# KiCad board q2.kicad_pcb (continued)
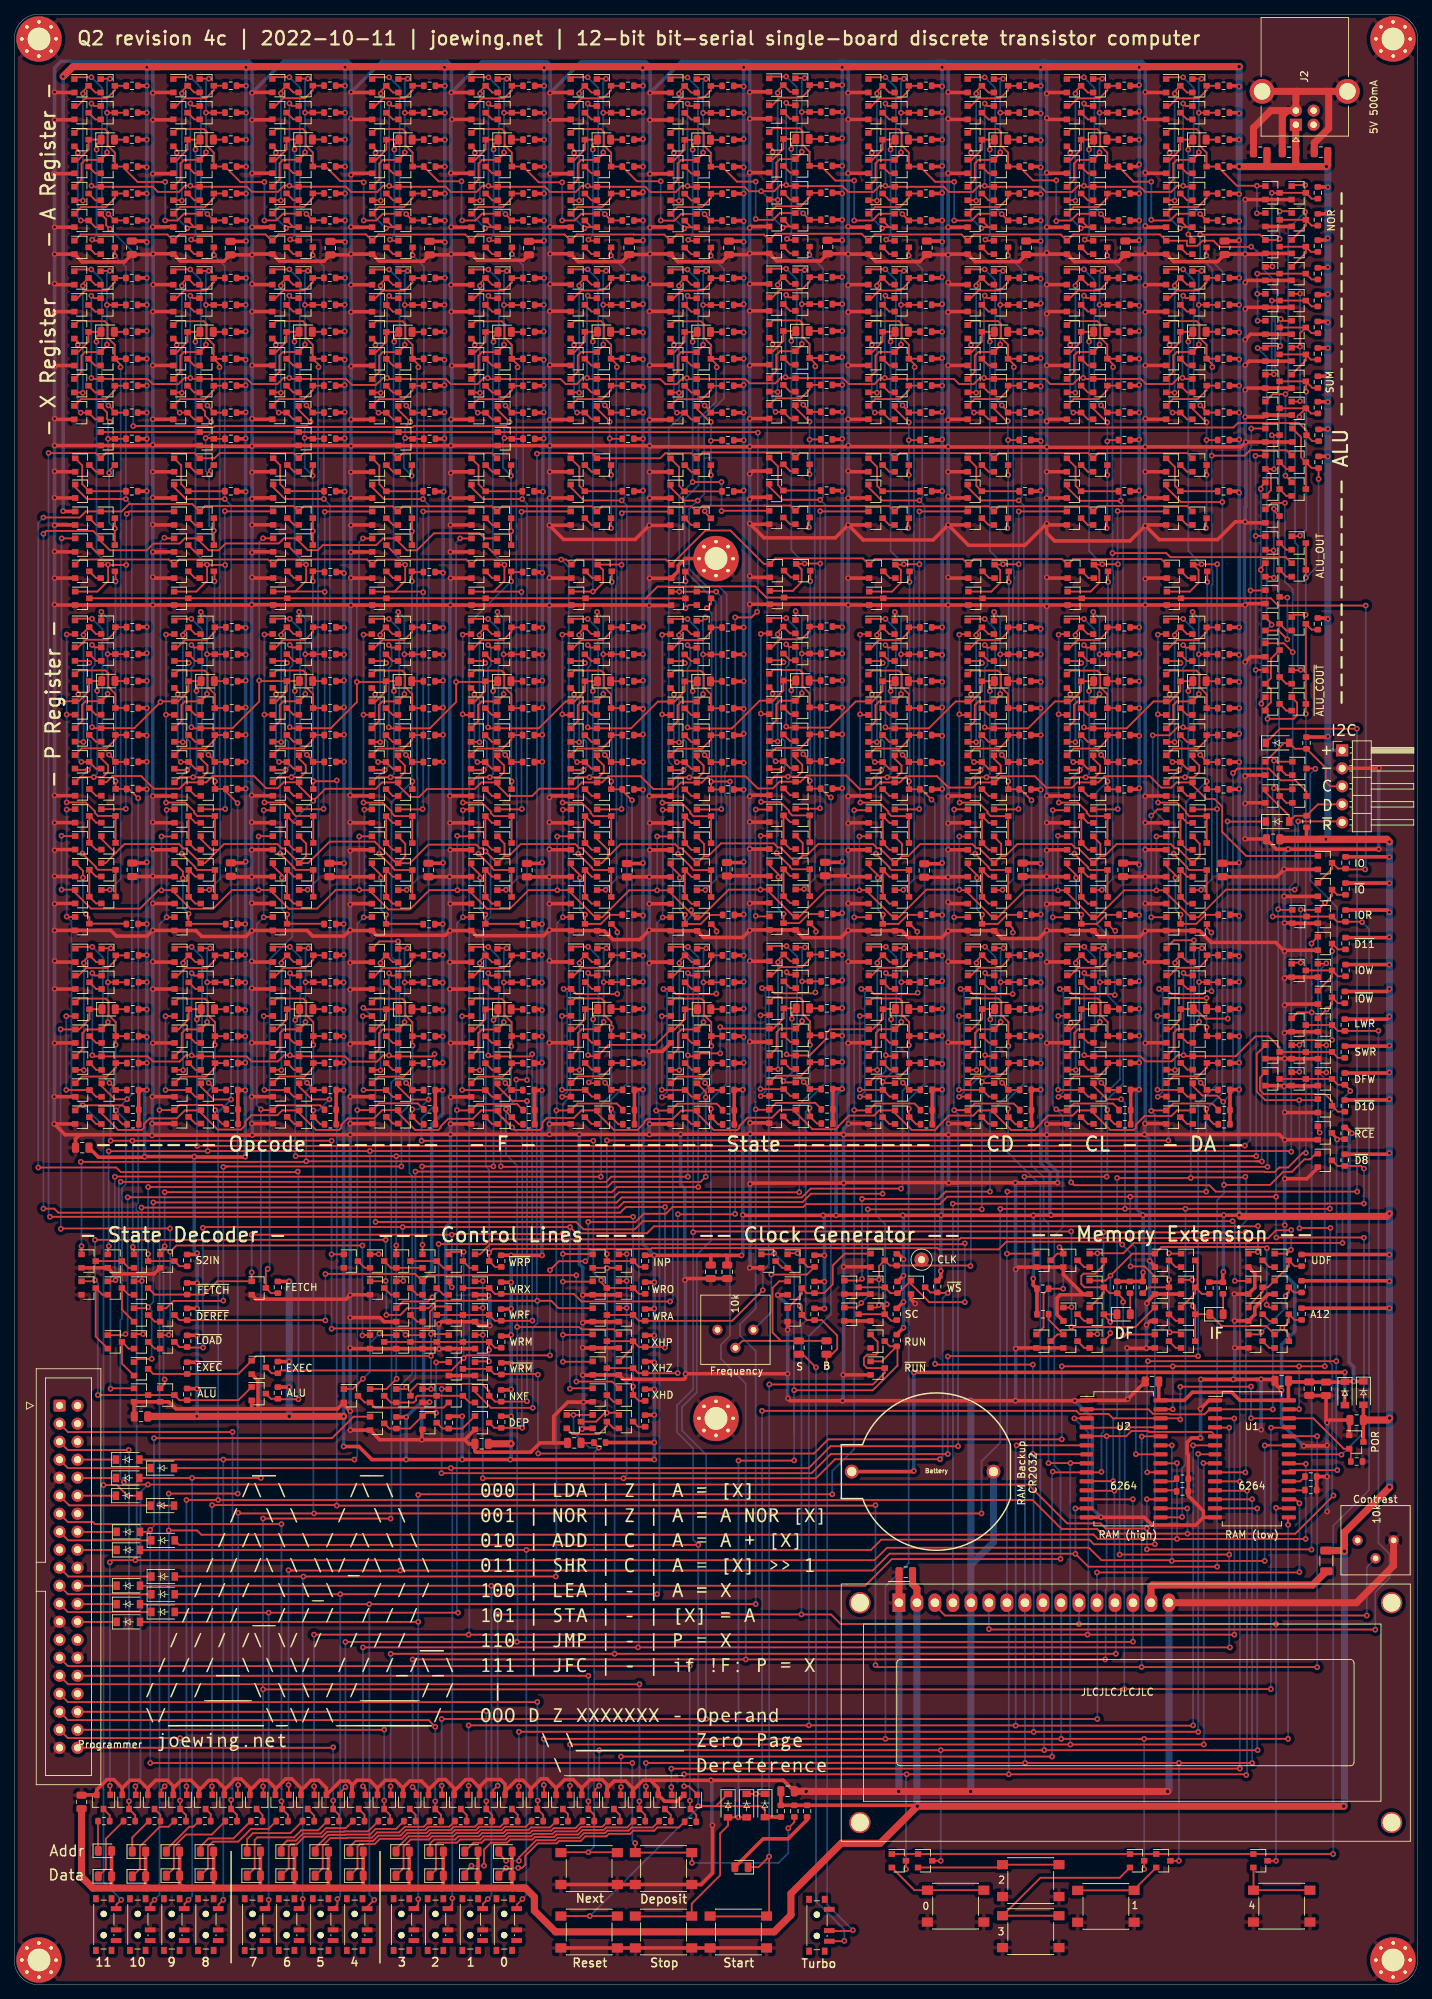
[diagram p0: board, top side]
## Nets (continued)
STATE_EXEC: Q4.1 Q74.1 Q144.1 Q214.1 Q284.1 Q355.1 Q423.1 Q491.1 Q559.1 Q643.1 Q664.3 Q710.1 Q760.1 Q838.1 Q906.1 R302.2 U1.22 U2.22
STATE_FETCH: Q38.1 Q108.1 Q178.1 Q248.1 Q318.1 Q367.1 Q435.1 Q503.1 Q571.1 Q637.1 Q656.3 Q772.1 Q850.1 Q918.1 R301.2
USE_DF: Q626.1 Q994.3 Q995.3 Q1000.1 R454.2
USE_IF: Q626.3 Q1009.1 R280.2
WRA: Q9.1 Q10.1 Q79.1 Q80.1 Q149.1 Q150.1 Q219.1 Q220.1 Q289.1 Q290.1 Q360.1 Q361.1 Q428.1 Q429.1 Q496.1 Q497.1 Q564.1 Q565.1 Q713.3 Q714.3 Q765.1 Q766.1 Q843.1 Q844.1 Q911.1 Q912.1 R322.2
WRF: Q344.1 Q345.1 Q701.3 Q702.3 Q703.3 R317.2
WRO: Q64.1 Q65.1 Q134.1 Q135.1 Q204.1 Q205.1 Q274.1 Q275.1 Q715.3 Q716.3 R323.2
WRX: Q31.1 Q32.1 Q101.1 Q102.1 Q171.1 Q172.1 Q241.1 Q242.1 Q311.1 Q312.1 Q401.1 Q402.1 Q469.1 Q470.1 Q537.1 Q538.1 Q605.1 Q606.1 Q690.3 Q691.3 Q806.1 Q807.1 Q884.1 Q885.1 Q952.1 Q953.1 R315.2
WS: Q631.3 Q632.3 Q674.1 Q709.1 R277.2
X0: Q574.1 Q602.3 Q607.1 Q728.1 Q731.1 Q740.1 R260.2
X1: Q506.1 Q534.3 Q539.1 Q743.1 R230.2
XHIN_DBUS: Q20.1 Q90.1 Q160.1 Q230.1 Q300.1 Q688.3 R313.2
XHIN_P: Q18.1 Q88.1 Q158.1 Q228.1 Q298.1 Q672.3 Q673.3 Q685.1 R306.2
XHIN_ZERO: Q17.1 Q87.1 Q157.1 Q227.1 Q297.1 Q684.3 Q685.3 R310.2
~{ALU_COUT}: Q677.1 Q737.3 Q738.3 Q739.3 R333.2
~{CDIV}: D58.1 Q630.1 Q815.1 Q819.3 Q822.1
~{DEP_SW}: D50.2 Q706.1 R464.2 SW23.1
~{DEREF}: D16.1 Q272.1 Q276.3 Q995.1
~{DF0}: D96.1 Q996.1 Q1005.1 Q1010.3 Q1012.1 Q1013.3
~{DOUT0}: J1.29 Q993.3 R452.2
~{DOUT1}: J1.31 Q992.3 R451.2
~{DOUT2}: J1.32 Q991.3 R450.2
~{DOUT3}: J1.33 Q990.3 R449.2
~{DOUT4}: J1.36 Q989.3 R448.2
~{DOUT5}: J1.35 Q988.3 R447.2
~{DOUT6}: J1.38 Q987.3 R446.2
~{DOUT7}: J1.40 Q986.3 R445.2
~{DOUT8}: J1.13 Q985.3 R444.2
~{DOUT9}: J1.3 Q984.3 R443.2
~{DOUT10}: J1.37 Q983.3 R442.2
~{DOUT11}: J1.5 Q982.3 R441.2
~{FIELD_IN0}: Q1015.1 Q1017.3 Q1018.1 R462.2
~{F}: D20.1 Q342.1 Q346.3 Q711.1
~{IF0}: D95.1 Q997.3 Q1001.1 Q1002.3 Q1007.1
~{INCP_SW}: C16.2 Q682.1 Q687.1 R312.2 SW22.1
~{IO_WR}: Q640.1 Q646.1 Q649.3 Q652.1 R294.2
~{IO}: Q636.1 Q638.3 Q642.1 Q647.1 R288.2
~{O0}: D12.1 Q202.1 Q206.3 Q680.1 Q694.1 Q712.1 Q746.1 Q748.1 Q750.1
~{O1}: D8.1 Q132.1 Q136.3 Q752.1 Q754.1
~{O2}: D4.1 Q62.1 Q66.3 Q655.1 Q692.1
~{POR}: D93.1 D94.1 R286.2 U1.26 U2.26 U3.2
~{RST}: D40.1 D49.2 D94.2 J3.5 Q44.1 Q46.1 Q114.1 Q116.1 Q184.1 Q186.1 Q254.1 Q256.1 Q324.1 Q326.1 Q353.1 Q373.1 Q375.1 Q421.1 Q441.1 Q443.1 Q489.1 Q509.1 Q511.1 Q557.1 Q577.1 Q579.1 Q758.1 Q778.1 Q780.1 Q836.1 Q856.1 Q858.1 Q904.1 Q924.1 Q926.1 Q1006.1 Q1016.1 R453.1 SW21.1
~{S0}: D28.1 Q412.1 Q413.1 Q478.1 Q482.3 Q485.1 Q657.1 Q659.1
~{S1}: D24.1 Q410.1 Q414.3 Q417.1 Q661.1 Q895.1 Q896.1
~{S2}: D64.1 Q893.1 Q897.3 Q963.1 Q964.1
~{S3}: D68.1 Q961.1 Q965.3 Q968.1
~{START}: D37.1 Q633.1 Q634.3 SW19.1
~{STATE_ALU}: Q391.1 Q459.1 Q527.1 Q595.1 Q663.1 Q666.3 Q667.3 Q668.1 Q678.1 Q701.1 Q704.1 Q713.1 Q796.1 Q874.1 Q942.1 R304.2
~{STATE_DEREF}: Q654.3 Q688.1 Q699.1 R298.2
~{STATE_EXEC}: Q660.3 Q664.1 Q679.1 Q695.1 Q705.1 Q994.1 R300.2
~{STATE_FETCH}: Q21.1 Q91.1 Q161.1 Q231.1 Q301.1 Q392.1 Q460.1 Q528.1 Q596.1 Q656.1 Q657.3 Q672.1 Q675.1 Q684.1 Q690.1 Q715.1 Q797.1 Q875.1 Q943.1 R297.2
~{STATE_LOAD}: Q655.3 Q689.1 Q700.1 Q999.1 R299.2
~{STOP}: D40.2 D93.2 Q628.1 Q633.3 Q634.1 R278.2 SW20.1
~{SW0}: D51.2 Q556.1 Q580.1 Q581.1 R243.2 SW18.1
~{SW1}: D52.2 Q488.1 Q512.1 Q513.1 R213.2 SW17.1
~{SW2}: D45.2 Q757.1 Q781.1 Q782.1 R338.2 SW16.1
~{SW3}: D46.2 Q420.1 Q444.1 Q445.1 R183.2 SW15.1
~{SW4}: D47.2 Q352.1 Q376.1 Q377.1 R153.2 SW14.1
~{SW5}: D48.2 Q835.1 Q859.1 Q860.1 R371.2 SW13.1
~{SW6}: D54.2 Q903.1 Q927.1 Q928.1 R401.2 SW12.1
~{SW7}: D53.2 Q282.1 Q327.1 Q328.1 R123.2 SW11.1
~{SW8}: D44.2 Q212.1 Q257.1 Q258.1 R93.2 SW10.1
~{SW9}: D43.2 Q142.1 Q187.1 Q188.1 R63.2 SW9.1
~{SW10}: D42.2 Q72.1 Q117.1 Q118.1 R33.2 SW8.1
~{SW11}: D41.2 Q2.1 Q47.1 Q48.1 R3.2 SW7.1
~{WRM}: Q648.1 Q697.3 Q698.3 R466.2 U1.27 U2.27
~{WRP}: Q40.1 Q42.1 Q110.1 Q112.1 Q180.1 Q182.1 Q250.1 Q252.1 Q320.1 Q322.1 Q369.1 Q371.1 Q437.1 Q439.1 Q505.1 Q507.1 Q573.1 Q575.1 Q709.3 Q774.1 Q776.1 Q852.1 Q854.1 Q920.1 Q922.1 Q1003.1 R321.2
~{X0}: D35.1 Q576.1 Q593.1 Q599.1 Q603.1 Q607.3 Q681.1
Net-(BT1-Pad1): BT1.1 D39.2
Net-(C10-Pad1): C10.1 C11.1 Q624.1 RV1.2
Net-(C10-Pad2): C10.2 SW1.3
Net-(C11-Pad2): C11.2 Q623.3 Q625.1 R271.2 SW1.2
Net-(C12-Pad2): C12.2 C13.2 C14.2 C44.2 D38.1 D39.1 R281.1 U1.28 U2.28
Net-(D1-Pad2): D1.2 R8.2
Net-(D2-Pad2): D2.2 R16.2
Net-(D3-Pad2): D3.2 R23.2
Net-(D4-Pad2): D4.2 R29.2
Net-(D5-Pad2): D5.2 R38.2
Net-(D6-Pad2): D6.2 R46.2
Net-(D7-Pad2): D7.2 R53.2
Net-(D8-Pad2): D8.2 R59.2
Net-(D9-Pad2): D9.2 R68.2
Net-(D10-Pad2): D10.2 R76.2
Net-(D11-Pad2): D11.2 R83.2
Net-(D12-Pad2): D12.2 R89.2
Net-(D13-Pad2): D13.2 R98.2
Net-(D14-Pad2): D14.2 R106.2
Net-(D15-Pad2): D15.2 R113.2
Net-(D16-Pad2): D16.2 R119.2
Net-(D17-Pad2): D17.2 R128.2
Net-(D18-Pad2): D18.2 R136.2
Net-(D19-Pad2): D19.2 R143.2
Net-(D20-Pad2): D20.2 R149.2
Net-(D21-Pad2): D21.2 R158.2
Net-(D22-Pad2): D22.2 R165.2
Net-(D23-Pad2): D23.2 R173.2
Net-(D24-Pad2): D24.2 R179.2
Net-(D25-Pad2): D25.2 R188.2
Net-(D26-Pad2): D26.2 R195.2
Net-(D27-Pad2): D27.2 R203.2
Net-(D28-Pad2): D28.2 R209.2
Net-(D29-Pad2): D29.2 R218.2
Net-(D30-Pad2): D30.2 R225.2
Net-(D31-Pad2): D31.2 R233.2
Net-(D32-Pad2): D32.2 R239.2
Net-(D33-Pad2): D33.2 R248.2
Net-(D34-Pad2): D34.2 R255.2
Net-(D35-Pad2): D35.2 R263.2
Net-(D36-Pad2): D36.2 R269.2
Net-(D37-Pad2): D37.2 R279.2
Net-(D41-Pad1): D41.1 J1.12
Net-(D42-Pad1): D42.1 J1.11
Net-(D43-Pad1): D43.1 J1.10
Net-(D44-Pad1): D44.1 J1.8
Net-(D45-Pad1): D45.1 J1.7
Net-(D46-Pad1): D46.1 J1.26
Net-(D47-Pad1): D47.1 J1.24
Net-(D48-Pad1): D48.1 J1.21
Net-(D49-Pad1): D49.1 J1.15
Net-(D50-Pad1): D50.1 J1.16
Net-(D51-Pad1): D51.1 J1.18
Net-(D52-Pad1): D52.1 J1.22
Net-(D53-Pad1): D53.1 J1.23
Net-(D54-Pad1): D54.1 J1.19
Net-(D55-Pad2): D55.2 R343.2
Net-(D56-Pad2): D56.2 R350.2
Net-(D57-Pad2): D57.2 R358.2
Net-(D58-Pad2): D58.2 R364.2
Net-(D61-Pad2): D61.2 R376.2
Net-(D62-Pad2): D62.2 R383.2
Net-(D63-Pad2): D63.2 R391.2
Net-(D64-Pad2): D64.2 R397.2
Net-(D65-Pad2): D65.2 R406.2
Net-(D66-Pad2): D66.2 R413.2
Net-(D67-Pad2): D67.2 R421.2
Net-(D68-Pad2): D68.2 R427.2
Net-(D69-Pad1): D69.1 R429.1
Net-(D70-Pad1): D70.1 R430.1
Net-(D71-Pad1): D71.1 R431.1
Net-(D72-Pad1): D72.1 R432.1
Net-(D73-Pad1): D73.1 R433.1
Net-(D74-Pad1): D74.1 R434.1
Net-(D75-Pad1): D75.1 R435.1
Net-(D76-Pad1): D76.1 R436.1
Net-(D77-Pad1): D77.1 R437.1
Net-(D78-Pad1): D78.1 R438.1
Net-(D79-Pad1): D79.1 R439.1
Net-(D80-Pad1): D80.1 R440.1
Net-(D81-Pad1): D81.1 R441.1
Net-(D82-Pad1): D82.1 R442.1
Net-(D83-Pad1): D83.1 R443.1
Net-(D84-Pad1): D84.1 R444.1
Net-(D85-Pad1): D85.1 R445.1
Net-(D86-Pad1): D86.1 R446.1
Net-(D87-Pad1): D87.1 R447.1
Net-(D88-Pad1): D88.1 R448.1
Net-(D89-Pad1): D89.1 R449.1
Net-(D90-Pad1): D90.1 R450.1
Net-(D91-Pad1): D91.1 R451.1
Net-(D92-Pad1): D92.1 R452.1
Net-(D95-Pad2): D95.2 R457.2
Net-(D96-Pad2): D96.2 R460.2
Net-(DS1-Pad3): DS1.3 RV3.2
Net-(DS1-Pad4): DS1.4 Q824.3 R366.1
Net-(DS1-Pad15): DS1.15 R274.1
Net-(Q1-Pad2): Q1.2 Q2.3
Net-(Q3-Pad2): Q3.2 Q4.3
Net-(Q6-Pad2): Q6.2 Q7.3
Net-(Q10-Pad2): Q10.2 Q13.3
Net-(Q10-Pad3): Q10.3 Q15.1 R7.2
Net-(Q11-Pad2): Q11.2 Q14.2 Q15.3
Net-(Q12-Pad1): Q5.3 Q12.1 R4.2
Net-(Q12-Pad3): Q9.2 Q12.3
Net-(Q13-Pad1): Q5.1 Q6.1 Q9.3 Q13.1 R6.2
Net-(Q13-Pad2): Q5.2 Q8.3 Q13.2
Net-(Q14-Pad3): Q8.1 Q14.3 R9.2
Net-(Q16-Pad2): Q16.2 Q21.3
Net-(Q18-Pad2): Q18.2 Q22.3
Net-(Q19-Pad2): Q19.2 Q23.3
Net-(Q20-Pad2): Q20.2 Q24.3
Net-(Q24-Pad1): Q24.1 Q26.3 R11.2
Net-(Q27-Pad1): Q27.1 Q28.1 Q31.3 Q35.1 R14.2
Net-(Q27-Pad2): Q27.2 Q30.3 Q35.2
Net-(Q27-Pad3): Q27.3 Q34.1 R12.2
Net-(Q28-Pad2): Q28.2 Q29.3
Net-(Q30-Pad1): Q30.1 Q36.3 R17.2
Net-(Q31-Pad2): Q31.2 Q34.3
Net-(Q32-Pad2): Q32.2 Q35.3
Net-(Q32-Pad3): Q32.3 Q37.1 R15.2
Net-(Q33-Pad2): Q33.2 Q36.2 Q37.3
Net-(Q38-Pad2): Q38.2 Q39.3
Net-(Q40-Pad2): Q40.2 Q41.2 Q44.3 Q45.3
Net-(Q42-Pad2): Q42.2 Q43.2 Q46.3 Q47.3
Net-(Q45-Pad1): Q45.1 Q48.3 R18.2
Net-(Q49-Pad1): Q49.1 Q50.1 Q53.3 Q57.1 R21.2
Net-(Q49-Pad2): Q49.2 Q52.3 Q57.2
Net-(Q49-Pad3): Q49.3 Q56.1 R19.2
Net-(Q50-Pad2): Q50.2 Q51.3
Net-(Q52-Pad1): Q52.1 Q58.3 R24.2
Net-(Q53-Pad2): Q53.2 Q56.3
Net-(Q54-Pad2): Q54.2 Q57.3
Net-(Q54-Pad3): Q54.3 Q59.1 R22.2
Net-(Q55-Pad2): Q55.2 Q58.2 Q59.3
Net-(Q60-Pad1): Q60.1 Q61.1 Q64.3 Q68.1 R27.2
Net-(Q60-Pad2): Q60.2 Q63.3 Q68.2
Net-(Q60-Pad3): Q60.3 Q67.1 R25.2
Net-(Q61-Pad2): Q61.2 Q62.3
Net-(Q63-Pad1): Q63.1 Q69.3 R30.2
Net-(Q64-Pad2): Q64.2 Q67.3
Net-(Q65-Pad2): Q65.2 Q68.3
Net-(Q65-Pad3): Q65.3 Q70.1 R28.2
Net-(Q66-Pad2): Q66.2 Q69.2 Q70.3
Net-(Q71-Pad2): Q71.2 Q72.3
Net-(Q73-Pad2): Q73.2 Q74.3
Net-(Q75-Pad1): Q75.1 Q76.1 Q79.3 Q83.1 R36.2
Net-(Q75-Pad2): Q75.2 Q78.3 Q83.2
Net-(Q75-Pad3): Q75.3 Q82.1 R34.2
Net-(Q76-Pad2): Q76.2 Q77.3
Net-(Q78-Pad1): Q78.1 Q84.3 R39.2
Net-(Q79-Pad2): Q79.2 Q82.3
Net-(Q80-Pad2): Q80.2 Q83.3
Net-(Q80-Pad3): Q80.3 Q85.1 R37.2
Net-(Q81-Pad2): Q81.2 Q84.2 Q85.3
Net-(Q86-Pad2): Q86.2 Q91.3
Net-(Q88-Pad2): Q88.2 Q92.3
Net-(Q89-Pad2): Q89.2 Q93.3
Net-(Q90-Pad2): Q90.2 Q94.3
Net-(Q94-Pad1): Q94.1 Q96.3 R41.2
Net-(Q98-Pad2): Q98.2 Q99.3
Net-(Q100-Pad1): Q100.1 Q106.3 R47.2
Net-(Q100-Pad3): Q97.2 Q100.3 Q105.2
Net-(Q101-Pad2): Q101.2 Q104.3
Net-(Q101-Pad3): Q97.1 Q98.1 Q101.3 Q105.1 R44.2
Net-(Q102-Pad2): Q102.2 Q105.3
Net-(Q102-Pad3): Q102.3 Q107.1 R45.2
Net-(Q103-Pad2): Q103.2 Q106.2 Q107.3
Net-(Q104-Pad1): Q97.3 Q104.1 R42.2
Net-(Q108-Pad2): Q108.2 Q109.3
Net-(Q110-Pad2): Q110.2 Q111.2 Q114.3 Q115.3
Net-(Q112-Pad2): Q112.2 Q113.2 Q116.3 Q117.3
Net-(Q115-Pad1): Q115.1 Q118.3 R48.2
Net-(Q119-Pad1): Q119.1 Q120.1 Q123.3 Q127.1 R51.2
Net-(Q119-Pad2): Q119.2 Q122.3 Q127.2
Net-(Q119-Pad3): Q119.3 Q126.1 R49.2
Net-(Q120-Pad2): Q120.2 Q121.3
Net-(Q122-Pad1): Q122.1 Q128.3 R54.2
Net-(Q123-Pad2): Q123.2 Q126.3
Net-(Q124-Pad2): Q124.2 Q127.3
Net-(Q124-Pad3): Q124.3 Q129.1 R52.2
Net-(Q125-Pad2): Q125.2 Q128.2 Q129.3
Net-(Q130-Pad1): Q130.1 Q131.1 Q134.3 Q138.1 R57.2
Net-(Q130-Pad2): Q130.2 Q133.3 Q138.2
Net-(Q130-Pad3): Q130.3 Q137.1 R55.2
Net-(Q131-Pad2): Q131.2 Q132.3
Net-(Q133-Pad1): Q133.1 Q139.3 R60.2
Net-(Q134-Pad2): Q134.2 Q137.3
Net-(Q135-Pad2): Q135.2 Q138.3
Net-(Q135-Pad3): Q135.3 Q140.1 R58.2
Net-(Q136-Pad2): Q136.2 Q139.2 Q140.3
Net-(Q141-Pad2): Q141.2 Q142.3
Net-(Q143-Pad2): Q143.2 Q144.3
Net-(Q145-Pad1): Q145.1 Q146.1 Q149.3 Q153.1 R66.2
Net-(Q145-Pad2): Q145.2 Q148.3 Q153.2
Net-(Q145-Pad3): Q145.3 Q152.1 R64.2
Net-(Q146-Pad2): Q146.2 Q147.3
Net-(Q148-Pad1): Q148.1 Q154.3 R69.2
Net-(Q149-Pad2): Q149.2 Q152.3
Net-(Q150-Pad2): Q150.2 Q153.3
Net-(Q150-Pad3): Q150.3 Q155.1 R67.2
Net-(Q151-Pad2): Q151.2 Q154.2 Q155.3
Net-(Q156-Pad2): Q156.2 Q161.3
Net-(Q158-Pad2): Q158.2 Q162.3
Net-(Q159-Pad2): Q159.2 Q163.3
Net-(Q160-Pad2): Q160.2 Q164.3
Net-(Q164-Pad1): Q164.1 Q166.3 R71.2
Net-(Q167-Pad1): Q167.1 Q168.1 Q171.3 Q175.1 R74.2
Net-(Q167-Pad2): Q167.2 Q170.3 Q175.2
Net-(Q167-Pad3): Q167.3 Q174.1 R72.2
Net-(Q168-Pad2): Q168.2 Q169.3
Net-(Q170-Pad1): Q170.1 Q176.3 R77.2
Net-(Q171-Pad2): Q171.2 Q174.3
Net-(Q172-Pad2): Q172.2 Q175.3
Net-(Q172-Pad3): Q172.3 Q177.1 R75.2
Net-(Q173-Pad2): Q173.2 Q176.2 Q177.3
Net-(Q178-Pad2): Q178.2 Q179.3
Net-(Q180-Pad2): Q180.2 Q181.2 Q184.3 Q185.3
Net-(Q182-Pad2): Q182.2 Q183.2 Q186.3 Q187.3
Net-(Q185-Pad1): Q185.1 Q188.3 R78.2
Net-(Q189-Pad1): Q189.1 Q190.1 Q193.3 Q197.1 R81.2
Net-(Q189-Pad2): Q189.2 Q192.3 Q197.2
Net-(Q189-Pad3): Q189.3 Q196.1 R79.2
Net-(Q190-Pad2): Q190.2 Q191.3
Net-(Q192-Pad1): Q192.1 Q198.3 R84.2
Net-(Q193-Pad2): Q193.2 Q196.3
Net-(Q194-Pad2): Q194.2 Q197.3
Net-(Q194-Pad3): Q194.3 Q199.1 R82.2
Net-(Q195-Pad2): Q195.2 Q198.2 Q199.3
Net-(Q200-Pad1): Q200.1 Q201.1 Q204.3 Q208.1 R87.2
Net-(Q200-Pad2): Q200.2 Q203.3 Q208.2
Net-(Q200-Pad3): Q200.3 Q207.1 R85.2
Net-(Q201-Pad2): Q201.2 Q202.3
Net-(Q203-Pad1): Q203.1 Q209.3 R90.2
Net-(Q204-Pad2): Q204.2 Q207.3
Net-(Q205-Pad2): Q205.2 Q208.3
Net-(Q205-Pad3): Q205.3 Q210.1 R88.2
Net-(Q206-Pad2): Q206.2 Q209.2 Q210.3
Net-(Q211-Pad2): Q211.2 Q212.3
Net-(Q213-Pad2): Q213.2 Q214.3
Net-(Q215-Pad1): Q215.1 Q216.1 Q219.3 Q223.1 R96.2
Net-(Q215-Pad2): Q215.2 Q218.3 Q223.2
Net-(Q215-Pad3): Q215.3 Q222.1 R94.2
Net-(Q216-Pad2): Q216.2 Q217.3
Net-(Q218-Pad1): Q218.1 Q224.3 R99.2
Net-(Q219-Pad2): Q219.2 Q222.3
Net-(Q220-Pad2): Q220.2 Q223.3
Net-(Q220-Pad3): Q220.3 Q225.1 R97.2
Net-(Q221-Pad2): Q221.2 Q224.2 Q225.3
Net-(Q226-Pad2): Q226.2 Q231.3
Net-(Q228-Pad2): Q228.2 Q232.3
Net-(Q229-Pad2): Q229.2 Q233.3
Net-(Q230-Pad2): Q230.2 Q234.3
Net-(Q234-Pad1): Q234.1 Q236.3 R101.2
Net-(Q237-Pad1): Q237.1 Q238.1 Q241.3 Q245.1 R104.2
Net-(Q237-Pad2): Q237.2 Q240.3 Q245.2
Net-(Q237-Pad3): Q237.3 Q244.1 R102.2
Net-(Q238-Pad2): Q238.2 Q239.3
Net-(Q240-Pad1): Q240.1 Q246.3 R107.2
Net-(Q241-Pad2): Q241.2 Q244.3
Net-(Q242-Pad2): Q242.2 Q245.3
Net-(Q242-Pad3): Q242.3 Q247.1 R105.2
Net-(Q243-Pad2): Q243.2 Q246.2 Q247.3
Net-(Q248-Pad2): Q248.2 Q249.3
Net-(Q250-Pad2): Q250.2 Q251.2 Q254.3 Q255.3
Net-(Q252-Pad2): Q252.2 Q253.2 Q256.3 Q257.3
Net-(Q255-Pad1): Q255.1 Q258.3 R108.2
Net-(Q259-Pad1): Q259.1 Q260.1 Q263.3 Q267.1 R111.2
Net-(Q259-Pad2): Q259.2 Q262.3 Q267.2
Net-(Q259-Pad3): Q259.3 Q266.1 R109.2
Net-(Q260-Pad2): Q260.2 Q261.3
Net-(Q262-Pad1): Q262.1 Q268.3 R114.2
Net-(Q263-Pad2): Q263.2 Q266.3
Net-(Q264-Pad2): Q264.2 Q267.3
Net-(Q264-Pad3): Q264.3 Q269.1 R112.2
Net-(Q265-Pad2): Q265.2 Q268.2 Q269.3
Net-(Q270-Pad1): Q270.1 Q271.1 Q274.3 Q278.1 R117.2
Net-(Q270-Pad2): Q270.2 Q273.3 Q278.2
Net-(Q270-Pad3): Q270.3 Q277.1 R115.2
Net-(Q271-Pad2): Q271.2 Q272.3
Net-(Q273-Pad1): Q273.1 Q279.3 R120.2
Net-(Q274-Pad2): Q274.2 Q277.3
Net-(Q275-Pad2): Q275.2 Q278.3
Net-(Q275-Pad3): Q275.3 Q280.1 R118.2
Net-(Q276-Pad2): Q276.2 Q279.2 Q280.3
Net-(Q281-Pad2): Q281.2 Q282.3
Net-(Q283-Pad2): Q283.2 Q284.3
Net-(Q285-Pad1): Q285.1 Q286.1 Q289.3 Q293.1 R126.2
Net-(Q285-Pad2): Q285.2 Q288.3 Q293.2
Net-(Q285-Pad3): Q285.3 Q292.1 R124.2
Net-(Q286-Pad2): Q286.2 Q287.3
Net-(Q288-Pad1): Q288.1 Q294.3 R129.2
Net-(Q289-Pad2): Q289.2 Q292.3
Net-(Q290-Pad2): Q290.2 Q293.3
Net-(Q290-Pad3): Q290.3 Q295.1 R127.2
Net-(Q291-Pad2): Q291.2 Q294.2 Q295.3
Net-(Q296-Pad2): Q296.2 Q301.3
Net-(Q298-Pad2): Q298.2 Q302.3
Net-(Q299-Pad2): Q299.2 Q303.3
Net-(Q300-Pad2): Q300.2 Q304.3
Net-(Q304-Pad1): Q304.1 Q306.3 R131.2
Net-(Q307-Pad1): Q307.1 Q308.1 Q311.3 Q315.1 R134.2
Net-(Q307-Pad2): Q307.2 Q310.3 Q315.2
Net-(Q307-Pad3): Q307.3 Q314.1 R132.2
Net-(Q308-Pad2): Q308.2 Q309.3
Net-(Q310-Pad1): Q310.1 Q316.3 R137.2
Net-(Q311-Pad2): Q311.2 Q314.3
Net-(Q312-Pad2): Q312.2 Q315.3
Net-(Q312-Pad3): Q312.3 Q317.1 R135.2
Net-(Q313-Pad2): Q313.2 Q316.2 Q317.3
Net-(Q318-Pad2): Q318.2 Q319.3
Net-(Q320-Pad2): Q320.2 Q321.2 Q324.3 Q325.3
Net-(Q322-Pad2): Q322.2 Q323.2 Q326.3 Q327.3
Net-(Q325-Pad1): Q325.1 Q328.3 R138.2
Net-(Q329-Pad1): Q329.1 Q330.1 Q333.3 Q337.1 R141.2
Net-(Q329-Pad2): Q329.2 Q332.3 Q337.2
Net-(Q329-Pad3): Q329.3 Q336.1 R139.2
Net-(Q330-Pad2): Q330.2 Q331.3
Net-(Q332-Pad1): Q332.1 Q338.3 R144.2
Net-(Q333-Pad2): Q333.2 Q336.3
Net-(Q334-Pad2): Q334.2 Q337.3
Net-(Q334-Pad3): Q334.3 Q339.1 R142.2
Net-(Q335-Pad2): Q335.2 Q338.2 Q339.3
Net-(Q340-Pad1): Q340.1 Q341.1 Q344.3 Q348.1 R147.2
Net-(Q340-Pad2): Q340.2 Q343.3 Q348.2
Net-(Q340-Pad3): Q340.3 Q347.1 R145.2
Net-(Q341-Pad2): Q341.2 Q342.3
Net-(Q343-Pad1): Q343.1 Q349.3 R150.2
Net-(Q344-Pad2): Q344.2 Q347.3
Net-(Q345-Pad2): Q345.2 Q348.3
Net-(Q345-Pad3): Q345.3 Q350.1 R148.2
Net-(Q346-Pad2): Q346.2 Q349.2 Q350.3
Net-(Q351-Pad2): Q351.2 Q352.3
Net-(Q354-Pad2): Q354.2 Q355.3
Net-(Q356-Pad1): Q356.1 Q357.1 Q360.3 Q364.1 R156.2
Net-(Q356-Pad2): Q356.2 Q359.3 Q364.2
Net-(Q356-Pad3): Q356.3 Q363.1 R154.2
Net-(Q357-Pad2): Q357.2 Q358.3
Net-(Q359-Pad1): Q359.1 Q365.3 R159.2
Net-(Q360-Pad2): Q360.2 Q363.3
Net-(Q361-Pad2): Q361.2 Q364.3
Net-(Q361-Pad3): Q361.3 Q366.1 R157.2
Net-(Q362-Pad2): Q362.2 Q365.2 Q366.3
Net-(Q367-Pad2): Q367.2 Q368.3
Net-(Q369-Pad2): Q369.2 Q370.2 Q373.3 Q374.3
Net-(Q371-Pad2): Q371.2 Q372.2 Q375.3 Q376.3
Net-(Q374-Pad1): Q374.1 Q377.3 R160.2
Net-(Q378-Pad1): Q378.1 Q379.1 Q382.3 Q386.1 R163.2
Net-(Q378-Pad2): Q378.2 Q381.3 Q386.2
Net-(Q378-Pad3): Q378.3 Q385.1 R161.2
Net-(Q379-Pad2): Q379.2 Q380.3
Net-(Q381-Pad1): Q381.1 Q387.3 R166.2
Net-(Q382-Pad2): Q382.2 Q385.3
Net-(Q383-Pad2): Q383.2 Q386.3
Net-(Q383-Pad3): Q383.3 Q388.1 R164.2
Net-(Q384-Pad2): Q384.2 Q387.2 Q388.3
Net-(Q389-Pad2): Q389.2 Q392.3
Net-(Q390-Pad2): Q390.2 Q393.3
Net-(Q391-Pad2): Q391.2 Q394.3
Net-(Q394-Pad1): Q394.1 Q396.3 R168.2
Net-(Q397-Pad1): Q397.1 Q398.1 Q401.3 Q405.1 R171.2
Net-(Q397-Pad2): Q397.2 Q400.3 Q405.2
Net-(Q397-Pad3): Q397.3 Q404.1 R169.2
Net-(Q398-Pad2): Q398.2 Q399.3
Net-(Q400-Pad1): Q400.1 Q406.3 R174.2
Net-(Q401-Pad2): Q401.2 Q404.3
Net-(Q402-Pad2): Q402.2 Q405.3
Net-(Q402-Pad3): Q402.3 Q407.1 R172.2
Net-(Q403-Pad2): Q403.2 Q406.2 Q407.3
Net-(Q408-Pad1): Q408.1 Q409.1 Q412.3 Q416.1 R177.2
Net-(Q408-Pad2): Q408.2 Q411.3 Q416.2
Net-(Q408-Pad3): Q408.3 Q415.1 R175.2
Net-(Q409-Pad2): Q409.2 Q410.3
Net-(Q411-Pad1): Q411.1 Q417.3 R180.2
Net-(Q412-Pad2): Q412.2 Q415.3
Net-(Q413-Pad2): Q413.2 Q416.3
Net-(Q413-Pad3): Q413.3 Q418.1 R178.2
Net-(Q414-Pad2): Q414.2 Q417.2 Q418.3
Net-(Q419-Pad2): Q419.2 Q420.3
Net-(Q422-Pad2): Q422.2 Q423.3
Net-(Q424-Pad1): Q424.1 Q425.1 Q428.3 Q432.1 R186.2
Net-(Q424-Pad2): Q424.2 Q427.3 Q432.2
Net-(Q424-Pad3): Q424.3 Q431.1 R184.2
Net-(Q425-Pad2): Q425.2 Q426.3
Net-(Q427-Pad1): Q427.1 Q433.3 R189.2
Net-(Q428-Pad2): Q428.2 Q431.3
Net-(Q429-Pad2): Q429.2 Q432.3
Net-(Q429-Pad3): Q429.3 Q434.1 R187.2
Net-(Q430-Pad2): Q430.2 Q433.2 Q434.3
Net-(Q435-Pad2): Q435.2 Q436.3
Net-(Q437-Pad2): Q437.2 Q438.2 Q441.3 Q442.3
Net-(Q439-Pad2): Q439.2 Q440.2 Q443.3 Q444.3
Net-(Q442-Pad1): Q442.1 Q445.3 R190.2
Net-(Q446-Pad1): Q446.1 Q447.1 Q450.3 Q454.1 R193.2
Net-(Q446-Pad2): Q446.2 Q449.3 Q454.2
Net-(Q446-Pad3): Q446.3 Q453.1 R191.2
Net-(Q447-Pad2): Q447.2 Q448.3
Net-(Q449-Pad1): Q449.1 Q455.3 R196.2
Net-(Q450-Pad2): Q450.2 Q453.3
Net-(Q451-Pad2): Q451.2 Q454.3
Net-(Q451-Pad3): Q451.3 Q456.1 R194.2
Net-(Q452-Pad2): Q452.2 Q455.2 Q456.3
Net-(Q457-Pad2): Q457.2 Q460.3
Net-(Q458-Pad2): Q458.2 Q461.3
Net-(Q459-Pad2): Q459.2 Q462.3
Net-(Q462-Pad1): Q462.1 Q464.3 R198.2
Net-(Q465-Pad1): Q465.1 Q466.1 Q469.3 Q473.1 R201.2
Net-(Q465-Pad2): Q465.2 Q468.3 Q473.2
Net-(Q465-Pad3): Q465.3 Q472.1 R199.2
Net-(Q466-Pad2): Q466.2 Q467.3
Net-(Q468-Pad1): Q468.1 Q474.3 R204.2
Net-(Q469-Pad2): Q469.2 Q472.3
Net-(Q470-Pad2): Q470.2 Q473.3
Net-(Q470-Pad3): Q470.3 Q475.1 R202.2
Net-(Q471-Pad2): Q471.2 Q474.2 Q475.3
Net-(Q476-Pad1): Q476.1 Q477.1 Q480.3 Q484.1 R207.2
Net-(Q476-Pad2): Q476.2 Q479.3 Q484.2
Net-(Q476-Pad3): Q476.3 Q483.1 R205.2
Net-(Q477-Pad2): Q477.2 Q478.3
Net-(Q479-Pad1): Q479.1 Q485.3 R210.2
Net-(Q480-Pad2): Q480.2 Q483.3
Net-(Q481-Pad2): Q481.2 Q484.3
Net-(Q481-Pad3): Q481.3 Q486.1 R208.2
Net-(Q482-Pad2): Q482.2 Q485.2 Q486.3
Net-(Q487-Pad2): Q487.2 Q488.3
Net-(Q490-Pad2): Q490.2 Q491.3
Net-(Q492-Pad1): Q492.1 Q493.1 Q496.3 Q500.1 R216.2
Net-(Q492-Pad2): Q492.2 Q495.3 Q500.2
Net-(Q492-Pad3): Q492.3 Q499.1 R214.2
Net-(Q493-Pad2): Q493.2 Q494.3
Net-(Q495-Pad1): Q495.1 Q501.3 R219.2
Net-(Q496-Pad2): Q496.2 Q499.3
Net-(Q497-Pad2): Q497.2 Q500.3
Net-(Q497-Pad3): Q497.3 Q502.1 R217.2
Net-(Q498-Pad2): Q498.2 Q501.2 Q502.3
Net-(Q503-Pad2): Q503.2 Q504.3
Net-(Q505-Pad2): Q505.2 Q506.2 Q509.3 Q510.3
Net-(Q507-Pad2): Q507.2 Q508.2 Q511.3 Q512.3
Net-(Q510-Pad1): Q510.1 Q513.3 R220.2
Net-(Q514-Pad1): Q514.1 Q515.1 Q518.3 Q522.1 R223.2
Net-(Q514-Pad2): Q514.2 Q517.3 Q522.2
Net-(Q514-Pad3): Q514.3 Q521.1 R221.2
Net-(Q515-Pad2): Q515.2 Q516.3
Net-(Q517-Pad1): Q517.1 Q523.3 R226.2
Net-(Q518-Pad2): Q518.2 Q521.3
Net-(Q519-Pad2): Q519.2 Q522.3
Net-(Q519-Pad3): Q519.3 Q524.1 R224.2
Net-(Q520-Pad2): Q520.2 Q523.2 Q524.3
Net-(Q525-Pad2): Q525.2 Q528.3
Net-(Q526-Pad2): Q526.2 Q529.3
Net-(Q527-Pad2): Q527.2 Q530.3
Net-(Q530-Pad1): Q530.1 Q532.3 R228.2
Net-(Q533-Pad1): Q533.1 Q534.1 Q537.3 Q541.1 R231.2
Net-(Q533-Pad2): Q533.2 Q536.3 Q541.2
Net-(Q533-Pad3): Q533.3 Q540.1 R229.2
Net-(Q534-Pad2): Q534.2 Q535.3
Net-(Q536-Pad1): Q536.1 Q542.3 R234.2
Net-(Q537-Pad2): Q537.2 Q540.3
Net-(Q538-Pad2): Q538.2 Q541.3
Net-(Q538-Pad3): Q538.3 Q543.1 R232.2
Net-(Q539-Pad2): Q539.2 Q542.2 Q543.3
Net-(Q544-Pad1): Q544.1 Q545.1 Q548.3 Q552.1 R237.2
Net-(Q544-Pad2): Q544.2 Q547.3 Q552.2
Net-(Q544-Pad3): Q544.3 Q551.1 R235.2
Net-(Q545-Pad2): Q545.2 Q546.3
Net-(Q547-Pad1): Q547.1 Q553.3 R240.2
Net-(Q548-Pad2): Q548.2 Q551.3
Net-(Q549-Pad2): Q549.2 Q552.3
Net-(Q549-Pad3): Q549.3 Q554.1 R238.2
Net-(Q550-Pad2): Q550.2 Q553.2 Q554.3
Net-(Q555-Pad2): Q555.2 Q556.3
Net-(Q558-Pad2): Q558.2 Q559.3
Net-(Q560-Pad1): Q560.1 Q561.1 Q564.3 Q568.1 R246.2
Net-(Q560-Pad2): Q560.2 Q563.3 Q568.2
Net-(Q560-Pad3): Q560.3 Q567.1 R244.2
Net-(Q561-Pad2): Q561.2 Q562.3
Net-(Q563-Pad1): Q563.1 Q569.3 R249.2
Net-(Q564-Pad2): Q564.2 Q567.3
Net-(Q565-Pad2): Q565.2 Q568.3
Net-(Q565-Pad3): Q565.3 Q570.1 R247.2
Net-(Q566-Pad2): Q566.2 Q569.2 Q570.3
Net-(Q571-Pad2): Q571.2 Q572.3
Net-(Q573-Pad2): Q573.2 Q574.2 Q577.3 Q578.3
Net-(Q575-Pad2): Q575.2 Q576.2 Q579.3 Q580.3
Net-(Q578-Pad1): Q578.1 Q581.3 R250.2
Net-(Q582-Pad1): Q582.1 Q583.1 Q586.3 Q590.1 R253.2
Net-(Q582-Pad2): Q582.2 Q585.3 Q590.2
Net-(Q582-Pad3): Q582.3 Q589.1 R251.2
Net-(Q583-Pad2): Q583.2 Q584.3
Net-(Q585-Pad1): Q585.1 Q591.3 R256.2
Net-(Q586-Pad2): Q586.2 Q589.3
Net-(Q587-Pad2): Q587.2 Q590.3
Net-(Q587-Pad3): Q587.3 Q592.1 R254.2
Net-(Q588-Pad2): Q588.2 Q591.2 Q592.3
Net-(Q593-Pad2): Q593.2 Q596.3
Net-(Q594-Pad2): Q594.2 Q597.3
Net-(Q595-Pad2): Q595.2 Q598.3
Net-(Q598-Pad1): Q598.1 Q600.3 R258.2
Net-(Q601-Pad1): Q601.1 Q602.1 Q605.3 Q609.1 R261.2
Net-(Q601-Pad2): Q601.2 Q604.3 Q609.2
Net-(Q601-Pad3): Q601.3 Q608.1 R259.2
Net-(Q602-Pad2): Q602.2 Q603.3
Net-(Q604-Pad1): Q604.1 Q610.3 R264.2
Net-(Q605-Pad2): Q605.2 Q608.3
Net-(Q606-Pad2): Q606.2 Q609.3
Net-(Q606-Pad3): Q606.3 Q611.1 R262.2
Net-(Q607-Pad2): Q607.2 Q610.2 Q611.3
Net-(Q612-Pad1): Q612.1 Q613.1 Q616.3 Q620.1 R267.2
Net-(Q612-Pad2): Q612.2 Q615.3 Q620.2
Net-(Q612-Pad3): Q612.3 Q619.1 R265.2
Net-(Q613-Pad2): Q613.2 Q614.3
Net-(Q615-Pad1): Q615.1 Q621.3 R270.2
Net-(Q616-Pad2): Q616.2 Q619.3
Net-(Q617-Pad2): Q617.2 Q620.3
Net-(Q617-Pad3): Q617.3 Q622.1 R268.2
Net-(Q618-Pad2): Q618.2 Q621.2 Q622.3
Net-(Q623-Pad1): Q623.1 Q624.3 Q627.1 R273.2
Net-(Q625-Pad2): Q625.2 Q628.3
Net-(Q625-Pad3): Q625.3 R272.2 RV1.3
Net-(Q641-Pad3): Q641.3 Q645.1 Q651.1 R290.2
Net-(Q647-Pad3): Q647.3 Q648.3 Q649.1 R293.2
Net-(Q650-Pad1): Q650.1 Q653.3 R296.2
Net-(Q654-Pad2): Q654.2 Q658.3
Net-(Q655-Pad2): Q655.2 Q659.3
Net-(Q657-Pad2): Q657.2 Q658.2 Q661.3
Net-(Q659-Pad2): Q659.2 Q660.2 Q662.3
Net-(Q661-Pad2): Q661.2 Q662.2 Q663.3
Net-(Q665-Pad2): Q665.2 Q669.3 Q670.3
Net-(Q675-Pad2): Q675.2 Q676.2 Q682.3 Q683.1
Net-(Q677-Pad2): Q677.2 Q678.2 Q679.3 Q680.3 Q681.3
Net-(Q680-Pad2): Q680.2 Q681.2 Q686.3
Net-(Q682-Pad2): Q682.2 Q683.2 Q687.3
Net-(Q683-Pad3): Q683.3 R311.2
Net-(Q688-Pad2): Q688.2 Q689.3
Net-(Q690-Pad2): Q690.2 Q699.3
Net-(Q692-Pad3): Q692.3 Q693.3 Q694.3 Q695.3 Q696.3 Q697.1 R314.2
Net-(Q698-Pad1): Q698.1 Q706.3 Q707.1 R318.2
Net-(Q699-Pad2): Q699.2 Q700.3
Net-(Q700-Pad2): Q700.2 Q704.3
Net-(Q701-Pad2): Q701.2 Q705.3
Net-(Q707-Pad3): Q707.3 Q708.1 R319.2
Net-(Q709-Pad2): Q709.2 Q710.3
Net-(Q710-Pad2): Q710.2 Q711.3 Q712.3
Net-(Q711-Pad2): Q711.2 Q712.2 Q717.3
Net-(Q717-Pad2): Q717.2 Q718.3
Net-(Q719-Pad3): Q719.3 Q720.3 Q723.1 R324.2
Net-(Q721-Pad1): Q721.1 Q723.3 Q724.3 Q729.1 R326.2
Net-(Q721-Pad3): Q721.3 Q722.3 Q725.1 R325.2
Net-(Q722-Pad1): Q722.1 Q729.3 Q730.3 Q734.1 Q736.1 R329.2
Net-(Q724-Pad1): Q724.1 Q731.3 Q732.3 R330.2
Net-(Q726-Pad1): Q726.1 Q733.3 Q734.3 R331.2
Net-(Q737-Pad2): Q737.2 Q745.3
Net-(Q738-Pad2): Q738.2 Q746.3
Net-(Q739-Pad2): Q739.2 Q747.3
Net-(Q740-Pad2): Q740.2 Q748.3
Net-(Q741-Pad2): Q741.2 Q749.3
Net-(Q742-Pad2): Q742.2 Q750.3
Net-(Q743-Pad2): Q743.2 Q751.3
Net-(Q745-Pad2): Q745.2 Q752.3
Net-(Q746-Pad2): Q746.2 Q747.2 Q753.3
Net-(Q748-Pad2): Q748.2 Q749.2 Q754.3
Net-(Q750-Pad2): Q750.2 Q751.2 Q755.3
Net-(Q756-Pad2): Q756.2 Q757.3
Net-(Q759-Pad2): Q759.2 Q760.3
Net-(Q761-Pad1): Q761.1 Q762.1 Q765.3 Q769.1 R341.2
Net-(Q761-Pad2): Q761.2 Q764.3 Q769.2
Net-(Q761-Pad3): Q761.3 Q768.1 R339.2
Net-(Q762-Pad2): Q762.2 Q763.3
Net-(Q764-Pad1): Q764.1 Q770.3 R344.2
Net-(Q765-Pad2): Q765.2 Q768.3
Net-(Q766-Pad2): Q766.2 Q769.3
Net-(Q766-Pad3): Q766.3 Q771.1 R342.2
Net-(Q767-Pad2): Q767.2 Q770.2 Q771.3
Net-(Q772-Pad2): Q772.2 Q773.3
Net-(Q774-Pad2): Q774.2 Q775.2 Q778.3 Q779.3
Net-(Q776-Pad2): Q776.2 Q777.2 Q780.3 Q781.3
Net-(Q779-Pad1): Q779.1 Q782.3 R345.2
Net-(Q783-Pad1): Q783.1 Q784.1 Q787.3 Q791.1 R348.2
Net-(Q783-Pad2): Q783.2 Q786.3 Q791.2
Net-(Q783-Pad3): Q783.3 Q790.1 R346.2
Net-(Q784-Pad2): Q784.2 Q785.3
Net-(Q786-Pad1): Q786.1 Q792.3 R351.2
Net-(Q787-Pad2): Q787.2 Q790.3
Net-(Q788-Pad2): Q788.2 Q791.3
Net-(Q788-Pad3): Q788.3 Q793.1 R349.2
Net-(Q789-Pad2): Q789.2 Q792.2 Q793.3
Net-(Q794-Pad2): Q794.2 Q797.3
Net-(Q795-Pad2): Q795.2 Q798.3
Net-(Q796-Pad2): Q796.2 Q799.3
Net-(Q799-Pad1): Q799.1 Q801.3 R353.2
Net-(Q802-Pad1): Q802.1 Q803.1 Q806.3 Q810.1 R356.2
Net-(Q802-Pad2): Q802.2 Q805.3 Q810.2
Net-(Q802-Pad3): Q802.3 Q809.1 R354.2
Net-(Q803-Pad2): Q803.2 Q804.3
Net-(Q805-Pad1): Q805.1 Q811.3 R359.2
Net-(Q806-Pad2): Q806.2 Q809.3
Net-(Q807-Pad2): Q807.2 Q810.3
Net-(Q807-Pad3): Q807.3 Q812.1 R357.2
Net-(Q808-Pad2): Q808.2 Q811.2 Q812.3
Net-(Q813-Pad1): Q813.1 Q814.1 Q817.3 Q821.1 R362.2
Net-(Q813-Pad2): Q813.2 Q816.3 Q821.2
Net-(Q813-Pad3): Q813.3 Q820.1 R360.2
Net-(Q814-Pad2): Q814.2 Q815.3
Net-(Q816-Pad1): Q816.1 Q822.3 R365.2
Net-(Q817-Pad2): Q817.2 Q820.3
Net-(Q818-Pad2): Q818.2 Q821.3
Net-(Q818-Pad3): Q818.3 Q823.1 R363.2
Net-(Q819-Pad2): Q819.2 Q822.2 Q823.3
Net-(Q825-Pad2): Q825.2 SW2.1
Net-(Q826-Pad2): Q826.2 SW3.1
Net-(Q827-Pad2): Q827.2 SW4.1
Net-(Q828-Pad2): Q828.2 SW5.1
Net-(Q829-Pad2): Q829.2 SW6.1
Net-(Q830-Pad2): Q830.2 Q831.3
Net-(Q832-Pad2): Q832.2 Q833.3
Net-(Q834-Pad2): Q834.2 Q835.3
Net-(Q837-Pad2): Q837.2 Q838.3
Net-(Q839-Pad1): Q839.1 Q840.1 Q843.3 Q847.1 R374.2
Net-(Q839-Pad2): Q839.2 Q842.3 Q847.2
Net-(Q839-Pad3): Q839.3 Q846.1 R372.2
Net-(Q840-Pad2): Q840.2 Q841.3
Net-(Q842-Pad1): Q842.1 Q848.3 R377.2
Net-(Q843-Pad2): Q843.2 Q846.3
Net-(Q844-Pad2): Q844.2 Q847.3
Net-(Q844-Pad3): Q844.3 Q849.1 R375.2
Net-(Q845-Pad2): Q845.2 Q848.2 Q849.3
Net-(Q850-Pad2): Q850.2 Q851.3
Net-(Q852-Pad2): Q852.2 Q853.2 Q856.3 Q857.3
Net-(Q854-Pad2): Q854.2 Q855.2 Q858.3 Q859.3
Net-(Q857-Pad1): Q857.1 Q860.3 R378.2
Net-(Q861-Pad1): Q861.1 Q862.1 Q865.3 Q869.1 R381.2
Net-(Q861-Pad2): Q861.2 Q864.3 Q869.2
Net-(Q861-Pad3): Q861.3 Q868.1 R379.2
Net-(Q862-Pad2): Q862.2 Q863.3
Net-(Q864-Pad1): Q864.1 Q870.3 R384.2
Net-(Q865-Pad2): Q865.2 Q868.3
Net-(Q866-Pad2): Q866.2 Q869.3
Net-(Q866-Pad3): Q866.3 Q871.1 R382.2
Net-(Q867-Pad2): Q867.2 Q870.2 Q871.3
Net-(Q872-Pad2): Q872.2 Q875.3
Net-(Q873-Pad2): Q873.2 Q876.3
Net-(Q874-Pad2): Q874.2 Q877.3
Net-(Q877-Pad1): Q877.1 Q879.3 R386.2
Net-(Q880-Pad1): Q880.1 Q881.1 Q884.3 Q888.1 R389.2
Net-(Q880-Pad2): Q880.2 Q883.3 Q888.2
Net-(Q880-Pad3): Q880.3 Q887.1 R387.2
Net-(Q881-Pad2): Q881.2 Q882.3
Net-(Q883-Pad1): Q883.1 Q889.3 R392.2
Net-(Q884-Pad2): Q884.2 Q887.3
Net-(Q885-Pad2): Q885.2 Q888.3
Net-(Q885-Pad3): Q885.3 Q890.1 R390.2
Net-(Q886-Pad2): Q886.2 Q889.2 Q890.3
Net-(Q891-Pad1): Q891.1 Q892.1 Q895.3 Q899.1 R395.2
Net-(Q891-Pad2): Q891.2 Q894.3 Q899.2
Net-(Q891-Pad3): Q891.3 Q898.1 R393.2
Net-(Q892-Pad2): Q892.2 Q893.3
Net-(Q894-Pad1): Q894.1 Q900.3 R398.2
Net-(Q895-Pad2): Q895.2 Q898.3
Net-(Q896-Pad2): Q896.2 Q899.3
Net-(Q896-Pad3): Q896.3 Q901.1 R396.2
Net-(Q897-Pad2): Q897.2 Q900.2 Q901.3
Net-(Q902-Pad2): Q902.2 Q903.3
Net-(Q905-Pad2): Q905.2 Q906.3
Net-(Q907-Pad1): Q907.1 Q908.1 Q911.3 Q915.1 R404.2
Net-(Q907-Pad2): Q907.2 Q910.3 Q915.2
Net-(Q907-Pad3): Q907.3 Q914.1 R402.2
Net-(Q908-Pad2): Q908.2 Q909.3
Net-(Q910-Pad1): Q910.1 Q916.3 R407.2
Net-(Q911-Pad2): Q911.2 Q914.3
Net-(Q912-Pad2): Q912.2 Q915.3
Net-(Q912-Pad3): Q912.3 Q917.1 R405.2
Net-(Q913-Pad2): Q913.2 Q916.2 Q917.3
Net-(Q918-Pad2): Q918.2 Q919.3
Net-(Q920-Pad2): Q920.2 Q921.2 Q924.3 Q925.3
Net-(Q922-Pad2): Q922.2 Q923.2 Q926.3 Q927.3
Net-(Q925-Pad1): Q925.1 Q928.3 R408.2
Net-(Q929-Pad1): Q929.1 Q930.1 Q933.3 Q937.1 R411.2
Net-(Q929-Pad2): Q929.2 Q932.3 Q937.2
Net-(Q929-Pad3): Q929.3 Q936.1 R409.2
Net-(Q930-Pad2): Q930.2 Q931.3
Net-(Q932-Pad1): Q932.1 Q938.3 R414.2
Net-(Q933-Pad2): Q933.2 Q936.3
Net-(Q934-Pad2): Q934.2 Q937.3
Net-(Q934-Pad3): Q934.3 Q939.1 R412.2
Net-(Q935-Pad2): Q935.2 Q938.2 Q939.3
Net-(Q940-Pad2): Q940.2 Q943.3
Net-(Q941-Pad2): Q941.2 Q944.3
Net-(Q942-Pad2): Q942.2 Q945.3
Net-(Q945-Pad1): Q945.1 Q947.3 R416.2
Net-(Q948-Pad1): Q948.1 Q949.1 Q952.3 Q956.1 R419.2
Net-(Q948-Pad2): Q948.2 Q951.3 Q956.2
Net-(Q948-Pad3): Q948.3 Q955.1 R417.2
Net-(Q949-Pad2): Q949.2 Q950.3
Net-(Q951-Pad1): Q951.1 Q957.3 R422.2
Net-(Q952-Pad2): Q952.2 Q955.3
Net-(Q953-Pad2): Q953.2 Q956.3
Net-(Q953-Pad3): Q953.3 Q958.1 R420.2
Net-(Q954-Pad2): Q954.2 Q957.2 Q958.3
Net-(Q959-Pad1): Q959.1 Q960.1 Q963.3 Q967.1 R425.2
Net-(Q959-Pad2): Q959.2 Q962.3 Q967.2
Net-(Q959-Pad3): Q959.3 Q966.1 R423.2
Net-(Q960-Pad2): Q960.2 Q961.3
Net-(Q962-Pad1): Q962.1 Q968.3 R428.2
Net-(Q963-Pad2): Q963.2 Q966.3
Net-(Q964-Pad2): Q964.2 Q967.3
Net-(Q964-Pad3): Q964.3 Q969.1 R426.2
Net-(Q965-Pad2): Q965.2 Q968.2 Q969.3
Net-(Q970-Pad3): Q970.3 R429.2
Net-(Q971-Pad3): Q971.3 R430.2
Net-(Q972-Pad3): Q972.3 R431.2
Net-(Q973-Pad3): Q973.3 R432.2
Net-(Q974-Pad3): Q974.3 R433.2
Net-(Q975-Pad3): Q975.3 R434.2
Net-(Q976-Pad3): Q976.3 R435.2
Net-(Q977-Pad3): Q977.3 R436.2
Net-(Q978-Pad3): Q978.3 R437.2
Net-(Q979-Pad3): Q979.3 R438.2
Net-(Q980-Pad3): Q980.3 R439.2
Net-(Q981-Pad3): Q981.3 R440.2
Net-(Q994-Pad2): Q994.2 Q999.3
Net-(Q1000-Pad3): Q996.2 Q1000.3
Net-(Q1001-Pad3): Q998.3 Q1001.3 Q1002.1 R458.2
Net-(Q1002-Pad2): Q1002.2 Q1006.3
Net-(Q1003-Pad3): Q997.1 Q998.1 Q1003.3 R456.2
Net-(Q1004-Pad3): Q997.2 Q1004.3
Net-(Q1005-Pad3): Q998.2 Q1005.3
Net-(Q1007-Pad2): Q1007.2 Q1009.3
Net-(Q1010-Pad2): Q1010.2 Q1014.3
Net-(Q1011-Pad2): Q1011.2 Q1015.3
Net-(Q1013-Pad2): Q1013.2 Q1016.3
Net-(R282-Pad2): R282.2 U1.18
Net-(R283-Pad2): R283.2 U2.18
Net-(R284-Pad2): R284.2 U1.19
Net-(R285-Pad2): R285.2 U2.19

Pads without a net: J1 1 2 4 17 27 28; J2 2 3; RV1 1; RV3 1; SW1 1; SW7 3; SW8 3; SW9 3; SW10 3; SW11 3; SW12 3; SW13 3; SW14 3; SW15 3; SW16 3; SW17 3; SW18 3

## Via types
v1: diameter 0.8, hole 0.4, Top to Bottom, 2515 vias
v2: diameter 1, hole 0.5, Top to Bottom, 13 vias
